# Altium PCB 24V-12V__4x5.PcbDoc (part 1 of 3) (continued)
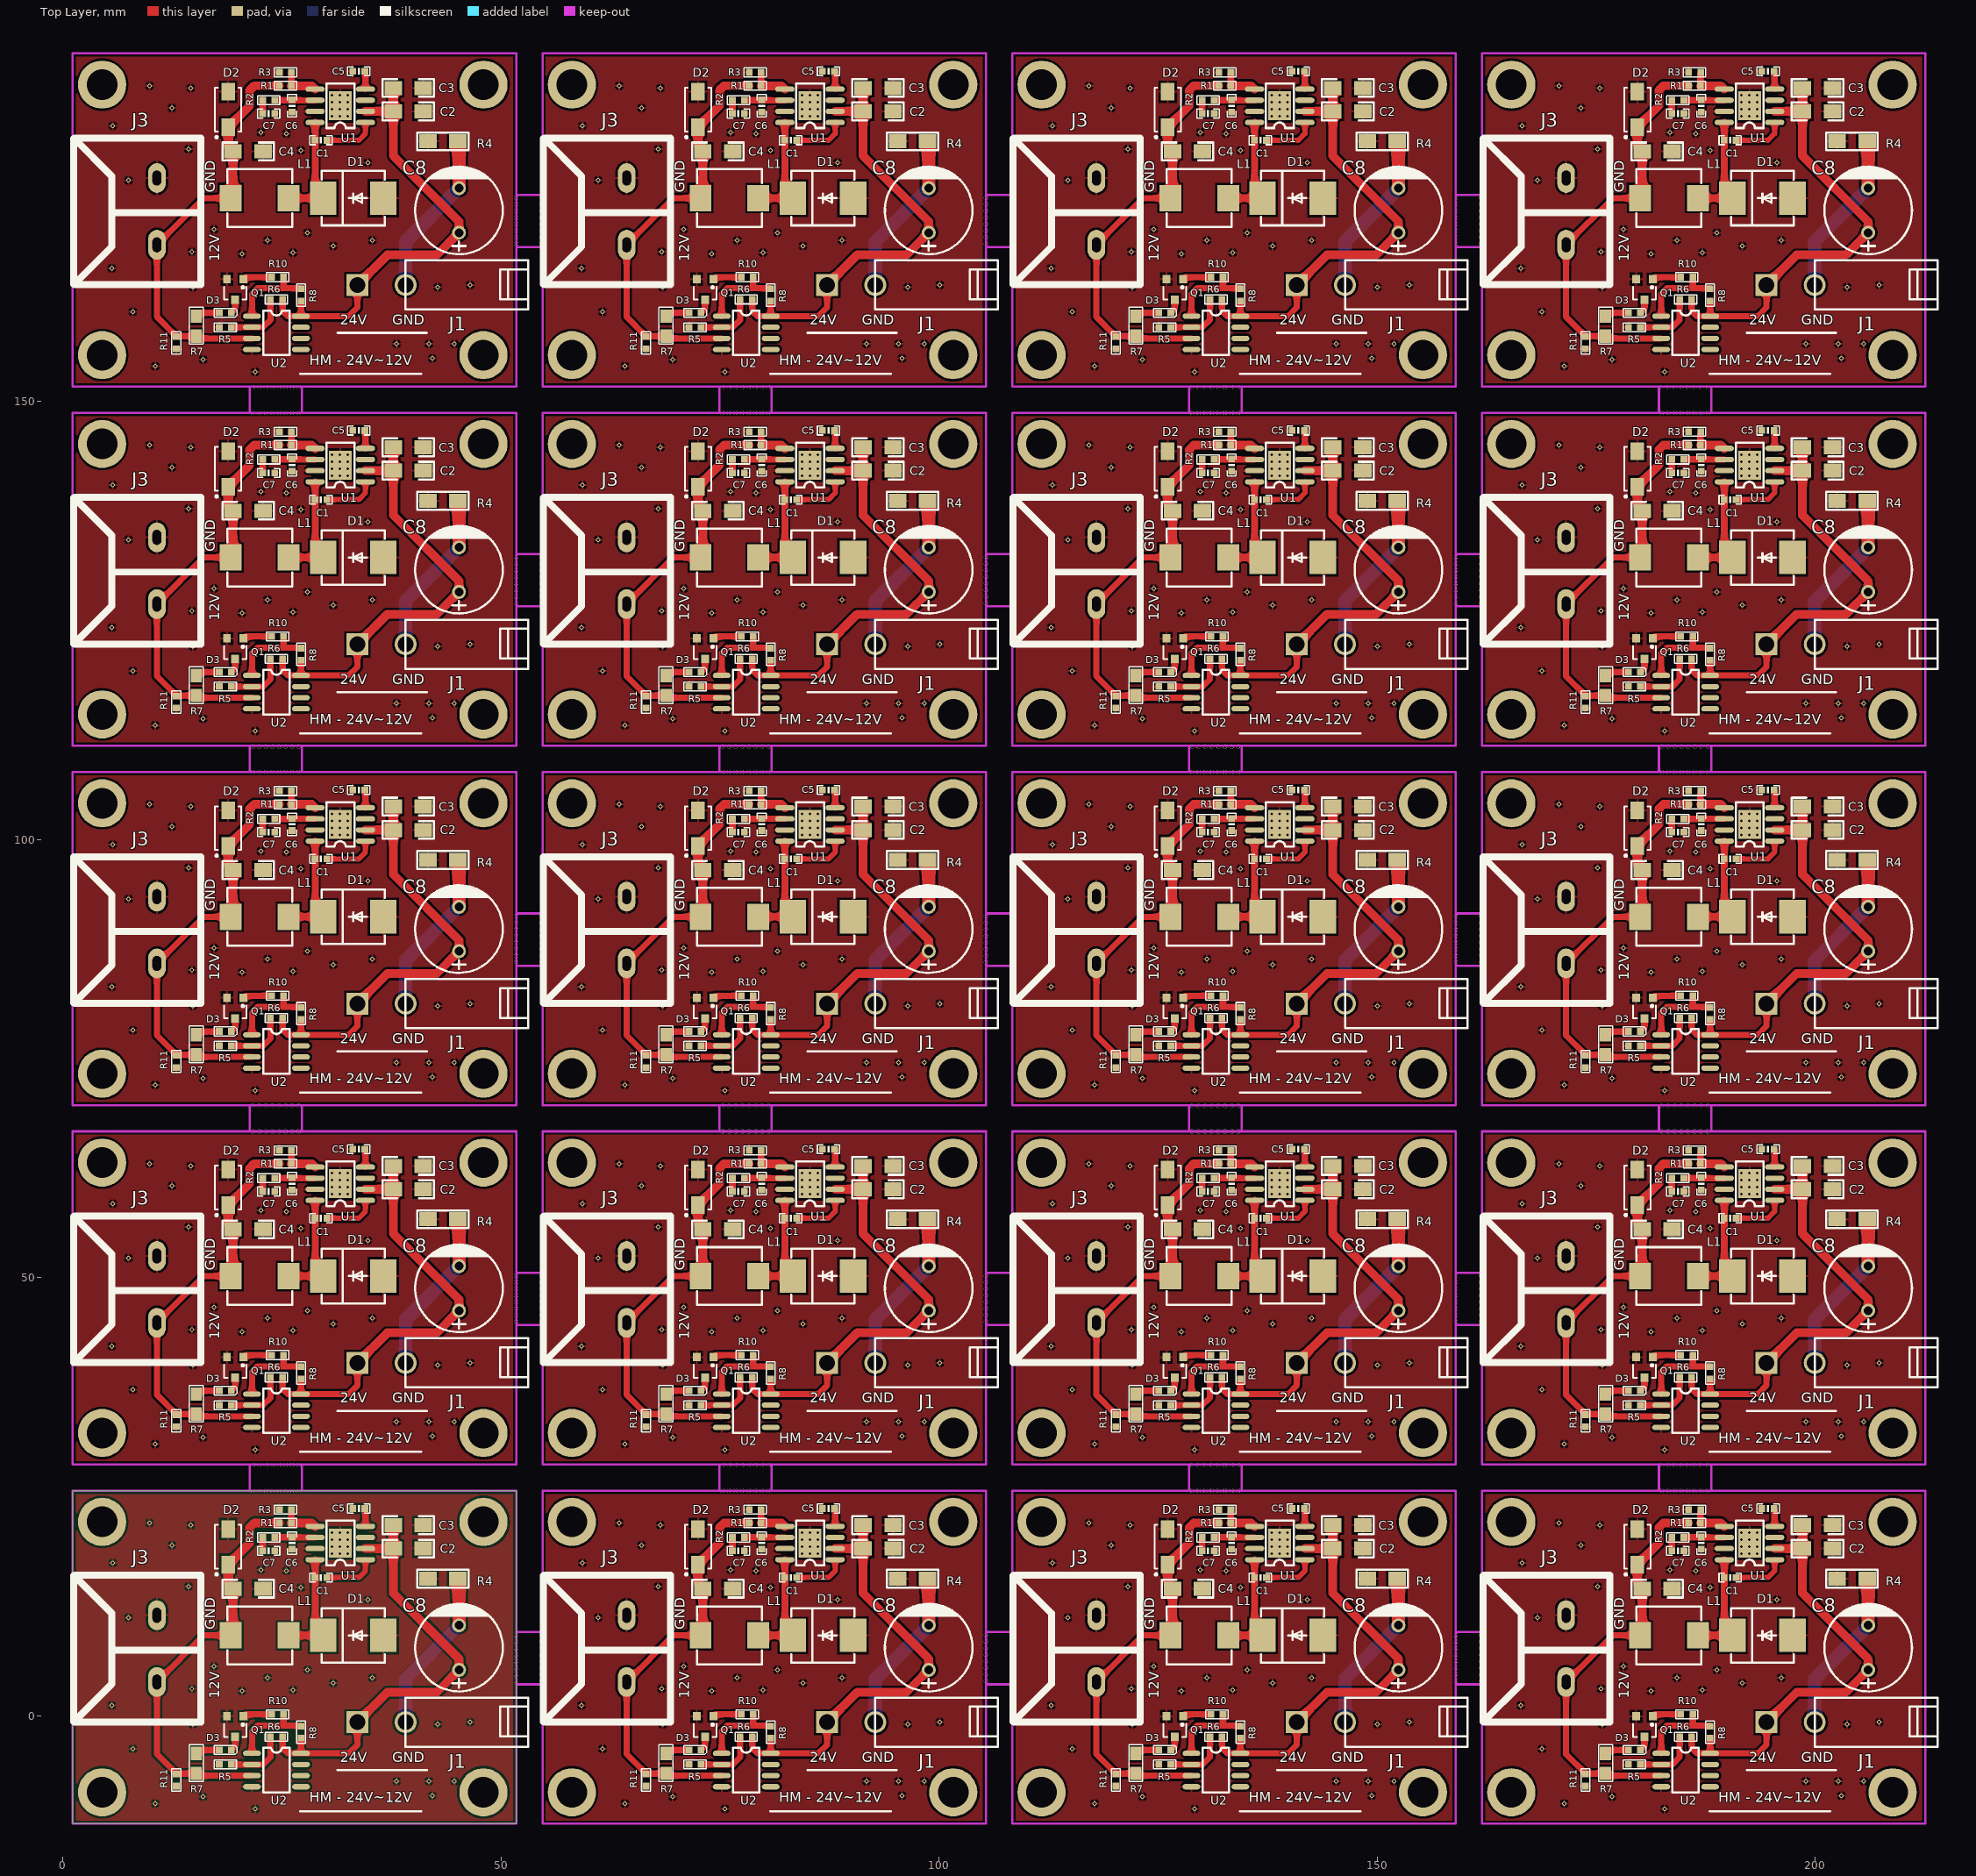
[diagram p0: Top Layer view]
## Components (designator, comment, footprint, x,y, rotation, side; value= is the part's Value field where it differs from the comment) (continued)
L1 "12UH/3A" IND-SMD_0630 76.079,173.171 r180 top
L1 "12UH/3A" IND-SMD_0630 76.079,132.171 r180 top
L1 "12UH/3A" IND-SMD_0630 76.079,91.171 r180 top
L1 "12UH/3A" IND-SMD_0630 76.079,50.171 r180 top
L1 "12UH/3A" IND-SMD_0630 76.079,9.171 r180 top
L1 "12UH/3A" IND-SMD_0630 22.479,173.171 r180 top
L1 "12UH/3A" IND-SMD_0630 22.479,132.171 r180 top
L1 "12UH/3A" IND-SMD_0630 22.479,91.171 r180 top
L1 "12UH/3A" IND-SMD_0630 22.479,50.171 r180 top
L1 "12UH/3A" IND-SMD_0630 22.479,9.171 r180 top
Q1 "BC817-40" SOT-23-3 180.485,162.757 r180 top
Q1 "BC817-40" SOT-23-3 180.485,121.757 r180 top
Q1 "BC817-40" SOT-23-3 180.485,80.757 r180 top
Q1 "BC817-40" SOT-23-3 180.485,39.757 r180 top
Q1 "BC817-40" SOT-23-3 180.485,-1.243 r180 top
Q1 "BC817-40" SOT-23-3 126.885,162.757 r180 top
Q1 "BC817-40" SOT-23-3 126.885,121.757 r180 top
Q1 "BC817-40" SOT-23-3 126.885,80.757 r180 top
Q1 "BC817-40" SOT-23-3 126.885,39.757 r180 top
Q1 "BC817-40" SOT-23-3 126.885,-1.243 r180 top
Q1 "BC817-40" SOT-23-3 73.285,162.757 r180 top
Q1 "BC817-40" SOT-23-3 73.285,121.757 r180 top
Q1 "BC817-40" SOT-23-3 73.285,80.757 r180 top
Q1 "BC817-40" SOT-23-3 73.285,39.757 r180 top
Q1 "BC817-40" SOT-23-3 73.285,-1.243 r180 top
Q1 "BC817-40" SOT-23-3 19.685,162.757 r180 top
Q1 "BC817-40" SOT-23-3 19.685,121.757 r180 top
Q1 "BC817-40" SOT-23-3 19.685,80.757 r180 top
Q1 "BC817-40" SOT-23-3 19.685,39.757 r180 top
Q1 "BC817-40" SOT-23-3 19.685,-1.243 r180 top
R1 "10.2KΩ/1%" 0603_R 186.2,185.998 r180 top
R1 "10.2KΩ/1%" 0603_R 186.2,144.998 r180 top
R1 "10.2KΩ/1%" 0603_R 186.2,103.998 r180 top
R1 "10.2KΩ/1%" 0603_R 186.2,62.998 r180 top
R1 "10.2KΩ/1%" 0603_R 186.2,21.998 r180 top
R1 "10.2KΩ/1%" 0603_R 132.6,185.998 r180 top
R1 "10.2KΩ/1%" 0603_R 132.6,144.998 r180 top
R1 "10.2KΩ/1%" 0603_R 132.6,103.998 r180 top
R1 "10.2KΩ/1%" 0603_R 132.6,62.998 r180 top
R1 "10.2KΩ/1%" 0603_R 132.6,21.998 r180 top
R1 "10.2KΩ/1%" 0603_R 79,185.998 r180 top
R1 "10.2KΩ/1%" 0603_R 79,144.998 r180 top
R1 "10.2KΩ/1%" 0603_R 79,103.998 r180 top
R1 "10.2KΩ/1%" 0603_R 79,62.998 r180 top
R1 "10.2KΩ/1%" 0603_R 79,21.998 r180 top
R1 "10.2KΩ/1%" 0603_R 25.4,185.998 r180 top
R1 "10.2KΩ/1%" 0603_R 25.4,144.998 r180 top
R1 "10.2KΩ/1%" 0603_R 25.4,103.998 r180 top
R1 "10.2KΩ/1%" 0603_R 25.4,62.998 r180 top
R1 "10.2KΩ/1%" 0603_R 25.4,21.998 r180 top
R2 "76.8KΩ/1%" 0603_R 184.295,184.35 r0 top
R2 "76.8KΩ/1%" 0603_R 184.295,143.35 r0 top
R2 "76.8KΩ/1%" 0603_R 184.295,102.35 r0 top
R2 "76.8KΩ/1%" 0603_R 184.295,61.35 r0 top
R2 "76.8KΩ/1%" 0603_R 184.295,20.35 r0 top
R2 "76.8KΩ/1%" 0603_R 130.695,184.35 r0 top
R2 "76.8KΩ/1%" 0603_R 130.695,143.35 r0 top
R2 "76.8KΩ/1%" 0603_R 130.695,102.35 r0 top
R2 "76.8KΩ/1%" 0603_R 130.695,61.35 r0 top
R2 "76.8KΩ/1%" 0603_R 130.695,20.35 r0 top
R2 "76.8KΩ/1%" 0603_R 77.095,184.35 r0 top
R2 "76.8KΩ/1%" 0603_R 77.095,143.35 r0 top
R2 "76.8KΩ/1%" 0603_R 77.095,102.35 r0 top
R2 "76.8KΩ/1%" 0603_R 77.095,61.35 r0 top
R2 "76.8KΩ/1%" 0603_R 77.095,20.35 r0 top
R2 "76.8KΩ/1%" 0603_R 23.495,184.35 r0 top
R2 "76.8KΩ/1%" 0603_R 23.495,143.35 r0 top
R2 "76.8KΩ/1%" 0603_R 23.495,102.35 r0 top
R2 "76.8KΩ/1%" 0603_R 23.495,61.35 r0 top
R2 "76.8KΩ/1%" 0603_R 23.495,20.35 r0 top
R3 "732Ω/1%" 0603_R 186.2,187.522 r0 top
R3 "732Ω/1%" 0603_R 186.2,146.522 r0 top
R3 "732Ω/1%" 0603_R 186.2,105.522 r0 top
R3 "732Ω/1%" 0603_R 186.2,64.522 r0 top
R3 "732Ω/1%" 0603_R 186.2,23.522 r0 top
R3 "732Ω/1%" 0603_R 132.6,187.522 r0 top
R3 "732Ω/1%" 0603_R 132.6,146.522 r0 top
R3 "732Ω/1%" 0603_R 132.6,105.522 r0 top
R3 "732Ω/1%" 0603_R 132.6,64.522 r0 top
R3 "732Ω/1%" 0603_R 132.6,23.522 r0 top
R3 "732Ω/1%" 0603_R 79,187.522 r0 top
R3 "732Ω/1%" 0603_R 79,146.522 r0 top
R3 "732Ω/1%" 0603_R 79,105.522 r0 top
R3 "732Ω/1%" 0603_R 79,64.522 r0 top
R3 "732Ω/1%" 0603_R 79,23.522 r0 top
R3 "732Ω/1%" 0603_R 25.4,187.522 r0 top
R3 "732Ω/1%" 0603_R 25.4,146.522 r0 top
R3 "732Ω/1%" 0603_R 25.4,105.522 r0 top
R3 "732Ω/1%" 0603_R 25.4,64.522 r0 top
R3 "732Ω/1%" 0603_R 25.4,23.522 r0 top
R4 "0Ω" 1206_R 202.456,179.648 r0 top
R4 "0Ω" 1206_R 202.456,138.648 r0 top
R4 "0Ω" 1206_R 202.456,97.648 r0 top
R4 "0Ω" 1206_R 202.456,56.648 r0 top
R4 "0Ω" 1206_R 202.456,15.648 r0 top
R4 "0Ω" 1206_R 148.856,179.648 r0 top
R4 "0Ω" 1206_R 148.856,138.648 r0 top
R4 "0Ω" 1206_R 148.856,97.648 r0 top
R4 "0Ω" 1206_R 148.856,56.648 r0 top
R4 "0Ω" 1206_R 148.856,15.648 r0 top
R4 "0Ω" 1206_R 95.256,179.648 r0 top
R4 "0Ω" 1206_R 95.256,138.648 r0 top
R4 "0Ω" 1206_R 95.256,97.648 r0 top
R4 "0Ω" 1206_R 95.256,56.648 r0 top
R4 "0Ω" 1206_R 95.256,15.648 r0 top
R4 "0Ω" 1206_R 41.656,179.648 r0 top
R4 "0Ω" 1206_R 41.656,138.648 r0 top
R4 "0Ω" 1206_R 41.656,97.648 r0 top
R4 "0Ω" 1206_R 41.656,56.648 r0 top
R4 "0Ω" 1206_R 41.656,15.648 r0 top
R5 "110KΩ" 0603_R 179.342,158.439 r0 top
R5 "110KΩ" 0603_R 179.342,117.439 r0 top
R5 "110KΩ" 0603_R 179.342,76.439 r0 top
R5 "110KΩ" 0603_R 179.342,35.439 r0 top
R5 "110KΩ" 0603_R 179.342,-5.561 r0 top
R5 "110KΩ" 0603_R 125.742,158.439 r0 top
R5 "110KΩ" 0603_R 125.742,117.439 r0 top
R5 "110KΩ" 0603_R 125.742,76.439 r0 top
R5 "110KΩ" 0603_R 125.742,35.439 r0 top
R5 "110KΩ" 0603_R 125.742,-5.561 r0 top
R5 "110KΩ" 0603_R 72.142,158.439 r0 top
R5 "110KΩ" 0603_R 72.142,117.439 r0 top
R5 "110KΩ" 0603_R 72.142,76.439 r0 top
R5 "110KΩ" 0603_R 72.142,35.439 r0 top
R5 "110KΩ" 0603_R 72.142,-5.561 r0 top
R5 "110KΩ" 0603_R 18.542,158.439 r0 top
R5 "110KΩ" 0603_R 18.542,117.439 r0 top
R5 "110KΩ" 0603_R 18.542,76.439 r0 top
R5 "110KΩ" 0603_R 18.542,35.439 r0 top
R5 "110KΩ" 0603_R 18.542,-5.561 r0 top
R6 "130KΩ" 0603_R 185.184,161.614 r0 top
R6 "130KΩ" 0603_R 185.184,120.614 r0 top
R6 "130KΩ" 0603_R 185.184,79.614 r0 top
R6 "130KΩ" 0603_R 185.184,38.614 r0 top
R6 "130KΩ" 0603_R 185.184,-2.386 r0 top
R6 "130KΩ" 0603_R 131.584,161.614 r0 top
R6 "130KΩ" 0603_R 131.584,120.614 r0 top
R6 "130KΩ" 0603_R 131.584,79.614 r0 top
R6 "130KΩ" 0603_R 131.584,38.614 r0 top
R6 "130KΩ" 0603_R 131.584,-2.386 r0 top
R6 "130KΩ" 0603_R 77.984,161.614 r0 top
R6 "130KΩ" 0603_R 77.984,120.614 r0 top
R6 "130KΩ" 0603_R 77.984,79.614 r0 top
R6 "130KΩ" 0603_R 77.984,38.614 r0 top
R6 "130KΩ" 0603_R 77.984,-2.386 r0 top
R6 "130KΩ" 0603_R 24.384,161.614 r0 top
R6 "130KΩ" 0603_R 24.384,120.614 r0 top
R6 "130KΩ" 0603_R 24.384,79.614 r0 top
R6 "130KΩ" 0603_R 24.384,38.614 r0 top
R6 "130KΩ" 0603_R 24.384,-2.386 r0 top
R7 "1.2KΩ" 0805_R 176.04,159.709 r270 top
R7 "1.2KΩ" 0805_R 176.04,118.709 r270 top
R7 "1.2KΩ" 0805_R 176.04,77.709 r270 top
R7 "1.2KΩ" 0805_R 176.04,36.709 r270 top
R7 "1.2KΩ" 0805_R 176.04,-4.291 r270 top
R7 "1.2KΩ" 0805_R 122.44,159.709 r270 top
R7 "1.2KΩ" 0805_R 122.44,118.709 r270 top
R7 "1.2KΩ" 0805_R 122.44,77.709 r270 top
R7 "1.2KΩ" 0805_R 122.44,36.709 r270 top
R7 "1.2KΩ" 0805_R 122.44,-4.291 r270 top
R7 "1.2KΩ" 0805_R 68.84,159.709 r270 top
R7 "1.2KΩ" 0805_R 68.84,118.709 r270 top
R7 "1.2KΩ" 0805_R 68.84,77.709 r270 top
R7 "1.2KΩ" 0805_R 68.84,36.709 r270 top
R7 "1.2KΩ" 0805_R 68.84,-4.291 r270 top
R7 "1.2KΩ" 0805_R 15.24,159.709 r270 top
R7 "1.2KΩ" 0805_R 15.24,118.709 r270 top
R7 "1.2KΩ" 0805_R 15.24,77.709 r270 top
R7 "1.2KΩ" 0805_R 15.24,36.709 r270 top
R7 "1.2KΩ" 0805_R 15.24,-4.291 r270 top
R8 "10KΩ" 0603_R 187.978,162.122 r90 top
R8 "10KΩ" 0603_R 187.978,121.122 r90 top
R8 "10KΩ" 0603_R 187.978,80.122 r90 top
R8 "10KΩ" 0603_R 187.978,39.122 r90 top
R8 "10KΩ" 0603_R 187.978,-1.878 r90 top
R8 "10KΩ" 0603_R 134.378,162.122 r90 top
R8 "10KΩ" 0603_R 134.378,121.122 r90 top
R8 "10KΩ" 0603_R 134.378,80.122 r90 top
R8 "10KΩ" 0603_R 134.378,39.122 r90 top
R8 "10KΩ" 0603_R 134.378,-1.878 r90 top
R8 "10KΩ" 0603_R 80.778,162.122 r90 top
R8 "10KΩ" 0603_R 80.778,121.122 r90 top
R8 "10KΩ" 0603_R 80.778,80.122 r90 top
R8 "10KΩ" 0603_R 80.778,39.122 r90 top
R8 "10KΩ" 0603_R 80.778,-1.878 r90 top
R8 "10KΩ" 0603_R 27.178,162.122 r90 top
R8 "10KΩ" 0603_R 27.178,121.122 r90 top
R8 "10KΩ" 0603_R 27.178,80.122 r90 top
R8 "10KΩ" 0603_R 27.178,39.122 r90 top
R8 "10KΩ" 0603_R 27.178,-1.878 r90 top
R10 "1KΩ" 0603_R 185.311,164.154 r180 top
R10 "1KΩ" 0603_R 185.311,123.154 r180 top
R10 "1KΩ" 0603_R 185.311,82.154 r180 top
R10 "1KΩ" 0603_R 185.311,41.154 r180 top
R10 "1KΩ" 0603_R 185.311,0.154 r180 top
R10 "1KΩ" 0603_R 131.711,164.154 r180 top
R10 "1KΩ" 0603_R 131.711,123.154 r180 top
R10 "1KΩ" 0603_R 131.711,82.154 r180 top
R10 "1KΩ" 0603_R 131.711,41.154 r180 top
R10 "1KΩ" 0603_R 131.711,0.154 r180 top
R10 "1KΩ" 0603_R 78.111,164.154 r180 top
R10 "1KΩ" 0603_R 78.111,123.154 r180 top
R10 "1KΩ" 0603_R 78.111,82.154 r180 top
R10 "1KΩ" 0603_R 78.111,41.154 r180 top
R10 "1KΩ" 0603_R 78.111,0.154 r180 top
R10 "1KΩ" 0603_R 24.511,164.154 r180 top
R10 "1KΩ" 0603_R 24.511,123.154 r180 top
R10 "1KΩ" 0603_R 24.511,82.154 r180 top
R10 "1KΩ" 0603_R 24.511,41.154 r180 top
R10 "1KΩ" 0603_R 24.511,0.154 r180 top
R11 "130KΩ" 0603_R 173.754,156.661 r90 top
R11 "130KΩ" 0603_R 173.754,115.661 r90 top
R11 "130KΩ" 0603_R 173.754,74.661 r90 top
R11 "130KΩ" 0603_R 173.754,33.661 r90 top
R11 "130KΩ" 0603_R 173.754,-7.339 r90 top
R11 "130KΩ" 0603_R 120.154,156.661 r90 top
R11 "130KΩ" 0603_R 120.154,115.661 r90 top
R11 "130KΩ" 0603_R 120.154,74.661 r90 top
R11 "130KΩ" 0603_R 120.154,33.661 r90 top
R11 "130KΩ" 0603_R 120.154,-7.339 r90 top
R11 "130KΩ" 0603_R 66.554,156.661 r90 top
R11 "130KΩ" 0603_R 66.554,115.661 r90 top
R11 "130KΩ" 0603_R 66.554,74.661 r90 top
R11 "130KΩ" 0603_R 66.554,33.661 r90 top
R11 "130KΩ" 0603_R 66.554,-7.339 r90 top
R11 "130KΩ" 0603_R 12.954,156.661 r90 top
R11 "130KΩ" 0603_R 12.954,115.661 r90 top
R11 "130KΩ" 0603_R 12.954,74.661 r90 top
R11 "130KΩ" 0603_R 12.954,33.661 r90 top
R11 "130KΩ" 0603_R 12.954,-7.339 r90 top
U1 "TPS54331" SO-8-POWERPAD（1.27/3.8*5） 195.344,181.807 r180 top
U1 "TPS54331" SO-8-POWERPAD（1.27/3.8*5） 195.344,140.807 r180 top
U1 "TPS54331" SO-8-POWERPAD（1.27/3.8*5） 195.344,99.807 r180 top
U1 "TPS54331" SO-8-POWERPAD（1.27/3.8*5） 195.344,58.807 r180 top
U1 "TPS54331" SO-8-POWERPAD（1.27/3.8*5） 195.344,17.807 r180 top
U1 "TPS54331" SO-8-POWERPAD（1.27/3.8*5） 141.744,181.807 r180 top
U1 "TPS54331" SO-8-POWERPAD（1.27/3.8*5） 141.744,140.807 r180 top
U1 "TPS54331" SO-8-POWERPAD（1.27/3.8*5） 141.744,99.807 r180 top
U1 "TPS54331" SO-8-POWERPAD（1.27/3.8*5） 141.744,58.807 r180 top
U1 "TPS54331" SO-8-POWERPAD（1.27/3.8*5） 141.744,17.807 r180 top
U1 "TPS54331" SO-8-POWERPAD（1.27/3.8*5） 88.144,181.807 r180 top
U1 "TPS54331" SO-8-POWERPAD（1.27/3.8*5） 88.144,140.807 r180 top
U1 "TPS54331" SO-8-POWERPAD（1.27/3.8*5） 88.144,99.807 r180 top
U1 "TPS54331" SO-8-POWERPAD（1.27/3.8*5） 88.144,58.807 r180 top
U1 "TPS54331" SO-8-POWERPAD（1.27/3.8*5） 88.144,17.807 r180 top
U1 "TPS54331" SO-8-POWERPAD（1.27/3.8*5） 34.544,181.807 r180 top
U1 "TPS54331" SO-8-POWERPAD（1.27/3.8*5） 34.544,140.807 r180 top
U1 "TPS54331" SO-8-POWERPAD（1.27/3.8*5） 34.544,99.807 r180 top
U1 "TPS54331" SO-8-POWERPAD（1.27/3.8*5） 34.544,58.807 r180 top
U1 "TPS54331" SO-8-POWERPAD（1.27/3.8*5） 34.544,17.807 r180 top
U2 "DUAL OPAMP" SO-8（1.27/3.8*5） 182.39,159.709 r0 top
U2 "DUAL OPAMP" SO-8（1.27/3.8*5） 182.39,118.709 r0 top
U2 "DUAL OPAMP" SO-8（1.27/3.8*5） 182.39,77.709 r0 top
U2 "DUAL OPAMP" SO-8（1.27/3.8*5） 182.39,36.709 r0 top
U2 "DUAL OPAMP" SO-8（1.27/3.8*5） 182.39,-4.291 r0 top
U2 "DUAL OPAMP" SO-8（1.27/3.8*5） 128.79,159.709 r0 top
U2 "DUAL OPAMP" SO-8（1.27/3.8*5） 128.79,118.709 r0 top
U2 "DUAL OPAMP" SO-8（1.27/3.8*5） 128.79,77.709 r0 top
U2 "DUAL OPAMP" SO-8（1.27/3.8*5） 128.79,36.709 r0 top
U2 "DUAL OPAMP" SO-8（1.27/3.8*5） 128.79,-4.291 r0 top
U2 "DUAL OPAMP" SO-8（1.27/3.8*5） 75.19,159.709 r0 top
U2 "DUAL OPAMP" SO-8（1.27/3.8*5） 75.19,118.709 r0 top
U2 "DUAL OPAMP" SO-8（1.27/3.8*5） 75.19,77.709 r0 top
U2 "DUAL OPAMP" SO-8（1.27/3.8*5） 75.19,36.709 r0 top
U2 "DUAL OPAMP" SO-8（1.27/3.8*5） 75.19,-4.291 r0 top
U2 "DUAL OPAMP" SO-8（1.27/3.8*5） 21.59,159.709 r0 top
U2 "DUAL OPAMP" SO-8（1.27/3.8*5） 21.59,118.709 r0 top
U2 "DUAL OPAMP" SO-8（1.27/3.8*5） 21.59,77.709 r0 top
U2 "DUAL OPAMP" SO-8（1.27/3.8*5） 21.59,36.709 r0 top
U2 "DUAL OPAMP" SO-8（1.27/3.8*5） 21.59,-4.291 r0 top

## Footprints (in the part's own frame and the unit in brackets; to place one, negate y for a bottom-side part, rotate by r counter-clockwise, add the part's x,y. Pads: shape width x height; smd on the part's side, far side on the other; paste and mask are expansions set on the pad)
0603_C [mil] "电容"
  rect 30x30 smd: 1(-27,0) 2(27.5,-0.06)
  silkscreen extent -50,-20 50,20
0603_D [mil] "贴片发光二极管"
  rect 30x30 smd: 1(-27,0) 2(27.5,-0.06)
  silkscreen extent -50,-20 52,20
0603_R [mil] "电阻"
  rect 30x30 smd: 1(-27,0) 2(27.5,-0.06)
  silkscreen extent -50,-20 50,20
0805_R [mil] "电阻"
  rect 60x50 smd: 1(0.11,0.06) 2(90.11,0.06)
  silkscreen extent -39,-31 126,32
1206_C [mm] "电容"
  rect 2x1.6 smd: 1(3.432,0.001) 2(0.003,0.001)
  silkscreen extent -1.22,-1.02 4.65,1.02
1206_R [mm] "电阻"
  rect 2x1.6 smd: 1(3.432,0.001) 2(0.003,0.001)
  silkscreen extent -1.22,-1.02 4.65,1.02
5557-2*1AW [mm] "弯针-引脚间距4.2mm"
  rect 2.5x2.5 hole 1.8: 1(0,5.5)
  round 2.5 hole 1.8: 2(0,0)
  silkscreen extent -2.8,-14 2.8,0
EC-DIP_BD10.0-P5.00-D1.0-FD [mm] "直插电解电容"
  round 1.6 hole 1: 1(-2.54,0) 2(2.54,0)
  silkscreen extent -5,-5 5.08,4.99
HB7620-2P [mm] "接线端子-引脚间距7.62mm"
  oval 2x3.4 hole 1 slot 1.7 at 90 deg: 1(-5,-4.56) 2(-5,-12.18)
  silkscreen extent -14.5,-16.74 0,0
IND-SMD_0630 [mm]
  rect 2.5x3 smd: 1(-3.302,0) 2(3.302,0)
  silkscreen extent -3.7,-3.3 3.7,3.3
SMA/DO214AC [mm] "二极管"
  rect 2x1.55 smd: 1(-1.725,1.1) 2(2.325,1.1)
  silkscreen extent -2.2,-0.4 3.57,2.6, body extent -2.2,-0.4 2.8,2.6, height 2.69
SMC/DO214AB [mm]
  rect 3.03x3.82 smd: 1(-3.435,0) 2(3.435,0)
  silkscreen extent -3.6,-3.11 3.6,3.11
SO-8-POWERPAD（1.27/3.8*5） [mm]
  oval 2.2x0.61 smd: 1(0.003,0.001) 2(0.003,-1.269) 3(0.003,-2.539) 4(0.003,-3.809) 5(5.75,-3.809) 6(5.75,-2.539) 7(5.75,-1.269) 8(5.75,0.001)
  rect 2.6x3.3 smd: 9(2.87,-1.905)
  silkscreen extent 1.27,-4.44 4.45,0.64
SO-8（1.27/3.8*5） [mil]
  oval 80x24 smd: 1(0.11,0.06) 2(0.11,-49.94) 3(0.11,-99.94) 4(0.11,-149.94) 5(220.11,-149.94) 6(220.11,-99.94) 7(220.11,-49.94) 8(220.11,0.06)
  silkscreen extent 51,-175 169,25
SOT-23-3 [mm]
  rect 0.9x0.95 smd: 1(-0.95,-1.175) 2(0.95,-1.175) 3(0,1.175)
  silkscreen extent -1.3,-0.35 1.3,1.18

## Part data
C1 C1 C1 C1 C1 C1 C1 C1 C1 C1 C1 C1 C1 C1 C1 C1 C1 C1 C1 C1 C2 C2 C2 C2 C2 C2 C2 C2 C2 C2 C2 C2 C2 C2 C2 C2 C2 C2 C2 C2 C3 C3 C3 C3 C3 C3 C3 C3 C3 C3 C3 C3 C3 C3 C3 C3 C3 C3 C3 C3 C4 C4 C4 C4 C4 C4 C4 C4 C4 C4 C4 C4 C4 C4 C4 C4 C4 C4 C4 C4 C5 C5 C5 C5 C5 C5 C5 C5 C5 C5 C5 C5 C5 C5 C5 C5 C5 C5 C5 C5 C6 C6 C6 C6 C6 C6 C6 C6 C6 C6 C6 C6 C6 C6 C6 C6 C6 C6 C6 C6 C7 C7 C7 C7 C7 C7 C7 C7 C7 C7 C7 C7 C7 C7 C7 C7 C7 C7 C7 C7: library part CAP, "无极性电容"
C8 C8 C8 C8 C8 C8 C8 C8 C8 C8 C8 C8 C8 C8 C8 C8 C8 C8 C8 C8: library part "CAP POLAR", "电解电容"
D1 D1 D1 D1 D1 D1 D1 D1 D1 D1 D1 D1 D1 D1 D1 D1 D1 D1 D1 D1: library part Diodes, "肖特基二极管/10A"
D2 D2 D2 D2 D2 D2 D2 D2 D2 D2 D2 D2 D2 D2 D2 D2 D2 D2 D2 D2: library part "Zener diode", "5V 单向TVS"
D3 D3 D3 D3 D3 D3 D3 D3 D3 D3 D3 D3 D3 D3 D3 D3 D3 D3 D3 D3: library part LED, "发光二极管"
J1 J1 J1 J1 J1 J1 J1 J1 J1 J1 J1 J1 J1 J1 J1 J1 J1 J1 J1 J1: "双排2*1P插座"
J3 J3 J3 J3 J3 J3 J3 J3 J3 J3 J3 J3 J3 J3 J3 J3 J3 J3 J3 J3: "单排2P插座"
L1 L1 L1 L1 L1 L1 L1 L1 L1 L1 L1 L1 L1 L1 L1 L1 L1 L1 L1 L1: library part INDUCTOR, "电感"
Q1 Q1 Q1 Q1 Q1 Q1 Q1 Q1 Q1 Q1 Q1 Q1 Q1 Q1 Q1 Q1 Q1 Q1 Q1 Q1: "NPN三极管"
R1 R1 R1 R1 R1 R1 R1 R1 R1 R1 R1 R1 R1 R1 R1 R1 R1 R1 R1 R1 R2 R2 R2 R2 R2 R2 R2 R2 R2 R2 R2 R2 R2 R2 R2 R2 R2 R2 R2 R2 R3 R3 R3 R3 R3 R3 R3 R3 R3 R3 R3 R3 R3 R3 R3 R3 R3 R3 R3 R3 R4 R4 R4 R4 R4 R4 R4 R4 R4 R4 R4 R4 R4 R4 R4 R4 R4 R4 R4 R4 R5 R5 R5 R5 R5 R5 R5 R5 R5 R5 R5 R5 R5 R5 R5 R5 R5 R5 R5 R5 R6 R6 R6 R6 R6 R6 R6 R6 R6 R6 R6 R6 R6 R6 R6 R6 R6 R6 R6 R6 R7 R7 R7 R7 R7 R7 R7 R7 R7 R7 R7 R7 R7 R7 R7 R7 R7 R7 R7 R7 R8 R8 R8 R8 R8 R8 R8 R8 R8 R8 R8 R8 R8 R8 R8 R8 R8 R8 R8 R8 R10 R10 R10 R10 R10 R10 R10 R10 R10 R10 R10 R10 R10 R10 R10 R10 R10 R10 R10 R10 R11 R11 R11 R11 R11 R11 R11 R11 R11 R11 R11 R11 R11 R11 R11 R11 R11 R11 R11 R11: library part RES2, "电阻"
U1 U1 U1 U1 U1 U1 U1 U1 U1 U1 U1 U1 U1 U1 U1 U1 U1 U1 U1 U1: library part TPS54531, "DC-DC/5A"
U2 U2 U2 U2 U2 U2 U2 U2 U2 U2 U2 U2 U2 U2 U2 U2 U2 U2 U2 U2: "双运放"

## Free pads (board coordinates)
  round 0.5 hole 0.5: 5(26.924,25.681) 5(26.924,28.602) 5(26.924,66.681) 5(26.924,69.602) 5(26.924,107.681) 5(26.924,110.602) 5(26.924,148.681) 5(26.924,151.602) 5(51.743,3.964) 5(51.743,44.964) 5(51.743,85.964) 5(51.743,126.964) 5(51.743,167.964) 5(54.664,3.964) 5(54.664,44.964) 5(54.664,85.964) 5(54.664,126.964) 5(54.664,167.964) 5(80.524,25.681) 5(80.524,28.602) 5(80.524,66.681) 5(80.524,69.602) 5(80.524,107.681) 5(80.524,110.602) 5(80.524,148.681) 5(80.524,151.602) 5(105.343,3.964) 5(105.343,44.964) 5(105.343,85.964) 5(105.343,126.964) 5(105.343,167.964) 5(108.264,3.964) 5(108.264,44.964) 5(108.264,85.964) 5(108.264,126.964) 5(108.264,167.964) 5(134.124,25.681) 5(134.124,28.602) 5(134.124,66.681) 5(134.124,69.602) 5(134.124,107.681) 5(134.124,110.602) 5(134.124,148.681) 5(134.124,151.602) 5(158.943,3.964) 5(158.943,44.964) 5(158.943,85.964) 5(158.943,126.964) 5(158.943,167.964) 5(161.864,3.964) 5(161.864,44.964) 5(161.864,85.964) 5(161.864,126.964) 5(161.864,167.964) 5(187.724,25.681) 5(187.724,28.602) 5(187.724,66.681) 5(187.724,69.602) 5(187.724,107.681) 5(187.724,110.602) 5(187.724,148.681) 5(187.724,151.602) 6(26.174,25.681) 6(26.174,28.602) 6(26.174,66.681) 6(26.174,69.602) 6(26.174,107.681) 6(26.174,110.602) 6(26.174,148.681) 6(26.174,151.602) 6(51.743,4.714) 6(51.743,45.714) 6(51.743,86.714) 6(51.743,127.714) 6(51.743,168.714) 6(54.664,4.714) 6(54.664,45.714) 6(54.664,86.714) 6(54.664,127.714) 6(54.664,168.714) 6(79.774,25.681) 6(79.774,28.602) 6(79.774,66.681) 6(79.774,69.602) 6(79.774,107.681) 6(79.774,110.602) 6(79.774,148.681) 6(79.774,151.602) 6(105.343,4.714) 6(105.343,45.714) 6(105.343,86.714) 6(105.343,127.714) 6(105.343,168.714) 6(108.264,4.714) 6(108.264,45.714) 6(108.264,86.714) 6(108.264,127.714) 6(108.264,168.714) 6(133.374,25.681) 6(133.374,28.602) 6(133.374,66.681) 6(133.374,69.602) 6(133.374,107.681) 6(133.374,110.602) 6(133.374,148.681) 6(133.374,151.602) 6(158.943,4.714) 6(158.943,45.714) 6(158.943,86.714) 6(158.943,127.714) 6(158.943,168.714) 6(161.864,4.714) 6(161.864,45.714) 6(161.864,86.714) 6(161.864,127.714) 6(161.864,168.714) 6(186.974,25.681) 6(186.974,28.602) 6(186.974,66.681) 6(186.974,69.602) 6(186.974,107.681) 6(186.974,110.602) 6(186.974,148.681) 6(186.974,151.602) 7(25.424,25.681) 7(25.424,28.602) 7(25.424,66.681) 7(25.424,69.602) 7(25.424,107.681) 7(25.424,110.602) 7(25.424,148.681) 7(25.424,151.602) 7(51.743,5.464) 7(51.743,46.464) 7(51.743,87.464) 7(51.743,128.464) 7(51.743,169.464) 7(54.664,5.464) 7(54.664,46.464) 7(54.664,87.464) 7(54.664,128.464) 7(54.664,169.464) 7(79.024,25.681) 7(79.024,28.602) 7(79.024,66.681) 7(79.024,69.602) 7(79.024,107.681) 7(79.024,110.602) 7(79.024,148.681) 7(79.024,151.602) 7(105.343,5.464) 7(105.343,46.464) 7(105.343,87.464) 7(105.343,128.464) 7(105.343,169.464) 7(108.264,5.464) 7(108.264,46.464) 7(108.264,87.464) 7(108.264,128.464) 7(108.264,169.464) 7(132.624,25.681) 7(132.624,28.602) 7(132.624,66.681) 7(132.624,69.602) 7(132.624,107.681) 7(132.624,110.602) 7(132.624,148.681) 7(132.624,151.602) 7(158.943,5.464) 7(158.943,46.464) 7(158.943,87.464) 7(158.943,128.464) 7(158.943,169.464) 7(161.864,5.464) 7(161.864,46.464) 7(161.864,87.464) 7(161.864,128.464) 7(161.864,169.464) 7(186.224,25.681) 7(186.224,28.602) 7(186.224,66.681) 7(186.224,69.602) 7(186.224,107.681) 7(186.224,110.602) 7(186.224,148.681) 7(186.224,151.602) 8(24.674,25.681) 8(24.674,28.602) 8(24.674,66.681) 8(24.674,69.602) 8(24.674,107.681) 8(24.674,110.602) 8(24.674,148.681) 8(24.674,151.602) 8(51.743,6.214) 8(51.743,47.214) 8(51.743,88.214) 8(51.743,129.214) 8(51.743,170.214) 8(54.664,6.214) 8(54.664,47.214) 8(54.664,88.214) 8(54.664,129.214) 8(54.664,170.214) 8(78.274,25.681) 8(78.274,28.602) 8(78.274,66.681) 8(78.274,69.602) 8(78.274,107.681) 8(78.274,110.602) 8(78.274,148.681) 8(78.274,151.602) 8(105.343,6.214) 8(105.343,47.214) 8(105.343,88.214) 8(105.343,129.214) 8(105.343,170.214) 8(108.264,6.214) 8(108.264,47.214) 8(108.264,88.214) 8(108.264,129.214) 8(108.264,170.214) 8(131.874,25.681) 8(131.874,28.602) 8(131.874,66.681) 8(131.874,69.602) 8(131.874,107.681) 8(131.874,110.602) 8(131.874,148.681) 8(131.874,151.602) 8(158.943,6.214) 8(158.943,47.214) 8(158.943,88.214) 8(158.943,129.214) 8(158.943,170.214) 8(161.864,6.214) 8(161.864,47.214) 8(161.864,88.214) 8(161.864,129.214) 8(161.864,170.214) 8(185.474,25.681) 8(185.474,28.602) 8(185.474,66.681) 8(185.474,69.602) 8(185.474,107.681) 8(185.474,110.602) 8(185.474,148.681) 8(185.474,151.602) 9(23.924,25.681) 9(23.924,28.602) 9(23.924,66.681) 9(23.924,69.602) 9(23.924,107.681) 9(23.924,110.602) 9(23.924,148.681) 9(23.924,151.602) 9(51.743,6.964) 9(51.743,47.964) 9(51.743,88.964) 9(51.743,129.964) 9(51.743,170.964) 9(54.664,6.964) 9(54.664,47.964) 9(54.664,88.964) 9(54.664,129.964) 9(54.664,170.964) 9(77.524,25.681) 9(77.524,28.602) 9(77.524,66.681) 9(77.524,69.602) 9(77.524,107.681) 9(77.524,110.602) 9(77.524,148.681) 9(77.524,151.602) 9(105.343,6.964) 9(105.343,47.964) 9(105.343,88.964) 9(105.343,129.964) 9(105.343,170.964) 9(108.264,6.964) 9(108.264,47.964) 9(108.264,88.964) 9(108.264,129.964) 9(108.264,170.964) 9(131.124,25.681) 9(131.124,28.602) 9(131.124,66.681) 9(131.124,69.602) 9(131.124,107.681) 9(131.124,110.602) 9(131.124,148.681) 9(131.124,151.602) 9(158.943,6.964) 9(158.943,47.964) 9(158.943,88.964) 9(158.943,129.964) 9(158.943,170.964) 9(161.864,6.964) 9(161.864,47.964) 9(161.864,88.964) 9(161.864,129.964) 9(161.864,170.964) 9(184.724,25.681) 9(184.724,28.602) 9(184.724,66.681) 9(184.724,69.602) 9(184.724,107.681) 9(184.724,110.602) 9(184.724,148.681) 9(184.724,151.602) 10(23.174,25.681) 10(23.174,28.602) 10(23.174,66.681) 10(23.174,69.602) 10(23.174,107.681) 10(23.174,110.602) 10(23.174,148.681) 10(23.174,151.602) 10(51.743,7.714) 10(51.743,48.714) 10(51.743,89.714) 10(51.743,130.714) 10(51.743,171.714) 10(54.664,7.714) 10(54.664,48.714) 10(54.664,89.714) 10(54.664,130.714) 10(54.664,171.714) 10(76.774,25.681) 10(76.774,28.602) 10(76.774,66.681) 10(76.774,69.602) 10(76.774,107.681) 10(76.774,110.602) 10(76.774,148.681) 10(76.774,151.602) 10(105.343,7.714) 10(105.343,48.714) 10(105.343,89.714) 10(105.343,130.714) 10(105.343,171.714) 10(108.264,7.714) 10(108.264,48.714) 10(108.264,89.714) 10(108.264,130.714) 10(108.264,171.714) 10(130.374,25.681) 10(130.374,28.602) 10(130.374,66.681) 10(130.374,69.602) 10(130.374,107.681) 10(130.374,110.602) 10(130.374,148.681) 10(130.374,151.602) 10(158.943,7.714) 10(158.943,48.714) 10(158.943,89.714) 10(158.943,130.714) 10(158.943,171.714) 10(161.864,7.714) 10(161.864,48.714) 10(161.864,89.714) 10(161.864,130.714) 10(161.864,171.714) 10(183.974,25.681) 10(183.974,28.602) 10(183.974,66.681) 10(183.974,69.602) 10(183.974,107.681) 10(183.974,110.602) 10(183.974,148.681) 10(183.974,151.602) 11(22.424,25.681) 11(22.424,28.602) 11(22.424,66.681) 11(22.424,69.602) 11(22.424,107.681) 11(22.424,110.602) 11(22.424,148.681) 11(22.424,151.602) 11(51.743,8.464) 11(51.743,49.464) 11(51.743,90.464) 11(51.743,131.464) 11(51.743,172.464) 11(54.664,8.464) 11(54.664,49.464) 11(54.664,90.464) 11(54.664,131.464) 11(54.664,172.464) 11(76.024,25.681) 11(76.024,28.602) 11(76.024,66.681) 11(76.024,69.602) 11(76.024,107.681) 11(76.024,110.602) 11(76.024,148.681) 11(76.024,151.602) 11(105.343,8.464) 11(105.343,49.464) 11(105.343,90.464) 11(105.343,131.464) 11(105.343,172.464) 11(108.264,8.464) 11(108.264,49.464) 11(108.264,90.464) 11(108.264,131.464) 11(108.264,172.464) 11(129.624,25.681) 11(129.624,28.602) 11(129.624,66.681) 11(129.624,69.602) 11(129.624,107.681) 11(129.624,110.602) 11(129.624,148.681) 11(129.624,151.602) 11(158.943,8.464) 11(158.943,49.464) 11(158.943,90.464) 11(158.943,131.464) 11(158.943,172.464) 11(161.864,8.464) 11(161.864,49.464) 11(161.864,90.464) 11(161.864,131.464) 11(161.864,172.464) 11(183.224,25.681) 11(183.224,28.602) 11(183.224,66.681) 11(183.224,69.602) 11(183.224,107.681) 11(183.224,110.602) 11(183.224,148.681) 11(183.224,151.602) 12(21.674,25.681) 12(21.674,28.602) 12(21.674,66.681) 12(21.674,69.602) 12(21.674,107.681) 12(21.674,110.602) 12(21.674,148.681) 12(21.674,151.602) 12(51.743,9.214) 12(51.743,50.214) 12(51.743,91.214) 12(51.743,132.214) 12(51.743,173.214) 12(54.664,9.214) 12(54.664,50.214) 12(54.664,91.214) 12(54.664,132.214) 12(54.664,173.214) 12(75.274,25.681) 12(75.274,28.602) 12(75.274,66.681) 12(75.274,69.602) 12(75.274,107.681) 12(75.274,110.602) 12(75.274,148.681) 12(75.274,151.602) 12(105.343,9.214) 12(105.343,50.214) 12(105.343,91.214) 12(105.343,132.214) 12(105.343,173.214) 12(108.264,9.214) 12(108.264,50.214) 12(108.264,91.214) 12(108.264,132.214) 12(108.264,173.214) 12(128.874,25.681) 12(128.874,28.602) 12(128.874,66.681) 12(128.874,69.602) 12(128.874,107.681) 12(128.874,110.602) 12(128.874,148.681) 12(128.874,151.602) 12(158.943,9.214) 12(158.943,50.214) 12(158.943,91.214) 12(158.943,132.214) 12(158.943,173.214) 12(161.864,9.214) 12(161.864,50.214) 12(161.864,91.214) 12(161.864,132.214) 12(161.864,173.214) 12(182.474,25.681) 12(182.474,28.602) 12(182.474,66.681) 12(182.474,69.602) 12(182.474,107.681) 12(182.474,110.602) 12(182.474,148.681) 12(182.474,151.602)
  round 5.5 hole 3.5: 10(4.496,-8.736) 10(4.496,32.264) 10(4.496,73.264) 10(4.496,114.264) 10(4.496,155.264) 10(58.096,-8.736) 10(58.096,32.264) 10(58.096,73.264) 10(58.096,114.264) 10(58.096,155.264) 10(111.696,-8.736) 10(111.696,32.264) 10(111.696,73.264) 10(111.696,114.264) 10(111.696,155.264) 10(165.296,-8.736) 10(165.296,32.264) 10(165.296,73.264) 10(165.296,114.264) 10(165.296,155.264) 11(4.496,22.125) 11(4.496,63.125) 11(4.496,104.125) 11(4.496,145.125) 11(4.496,186.125) 11(58.096,22.125) 11(58.096,63.125) 11(58.096,104.125) 11(58.096,145.125) 11(58.096,186.125) 11(111.696,22.125) 11(111.696,63.125) 11(111.696,104.125) 11(111.696,145.125) 11(111.696,186.125) 11(165.296,22.125) 11(165.296,63.125) 11(165.296,104.125) 11(165.296,145.125) 11(165.296,186.125) 12(48.006,-8.736) 12(48.006,32.264) 12(48.006,73.264) 12(48.006,114.264) 12(48.006,155.264) 12(101.606,-8.736) 12(101.606,32.264) 12(101.606,73.264) 12(101.606,114.264) 12(101.606,155.264) 12(155.206,-8.736) 12(155.206,32.264) 12(155.206,73.264) 12(155.206,114.264) 12(155.206,155.264) 12(208.806,-8.736) 12(208.806,32.264) 12(208.806,73.264) 12(208.806,114.264) 12(208.806,155.264) 13(48.006,22.125) 13(48.006,63.125) 13(48.006,104.125) 13(48.006,145.125) 13(48.006,186.125) 13(101.606,22.125) 13(101.606,63.125) 13(101.606,104.125) 13(101.606,145.125) 13(101.606,186.125) 13(155.206,22.125) 13(155.206,63.125) 13(155.206,104.125) 13(155.206,145.125) 13(155.206,186.125) 13(208.806,22.125) 13(208.806,63.125) 13(208.806,104.125) 13(208.806,145.125) 13(208.806,186.125)

## Via types
v1: diameter 0.5, hole 0.3, Top Layer to Bottom Layer, tented both sides, 840 vias

## Nets (pads, with @x,y where several pads share a name; then routed paths per layer and width w, separated by ;. In a path a pad name is that pad's centre, name@x,y a point inside that pad or via, vN(x,y) a via of type N, cw(c..) or ccw(c..) an arc to the next point about the centre after c; other vN are vias at no path point)
pads on no net: C1.1 C1.2 C2.1 C2.2 C3.1 C3.2 C4.1 C4.2 C5.1 C5.2 C6.1 C6.2 C7.1 C7.2 C8.1 C8.2 D1.1 D1.2 D2.1 D2.2 D3.1 D3.2 J1.1 J1.2 J3.1 J3.2 L1.1 L1.2 Q1.1 Q1.2 Q1.3 R1.1 R1.2 R2.1 R2.2 R3.1 R3.2 R4.1 R4.2 R5.1 R5.2 R6.1 R6.2 R7.1 R7.2 R8.1 R8.2 R10.1 R10.2 R11.1 R11.2 U1.1 U1.2 U1.3 U1.4 U1.5 U1.6 U1.7 U1.8 U1.9 U2.1 U2.2 U2.3 U2.4 U2.5 U2.6 U2.7 U2.8